# KiCad board EnvKB_HS.kicad_pcb (continued)
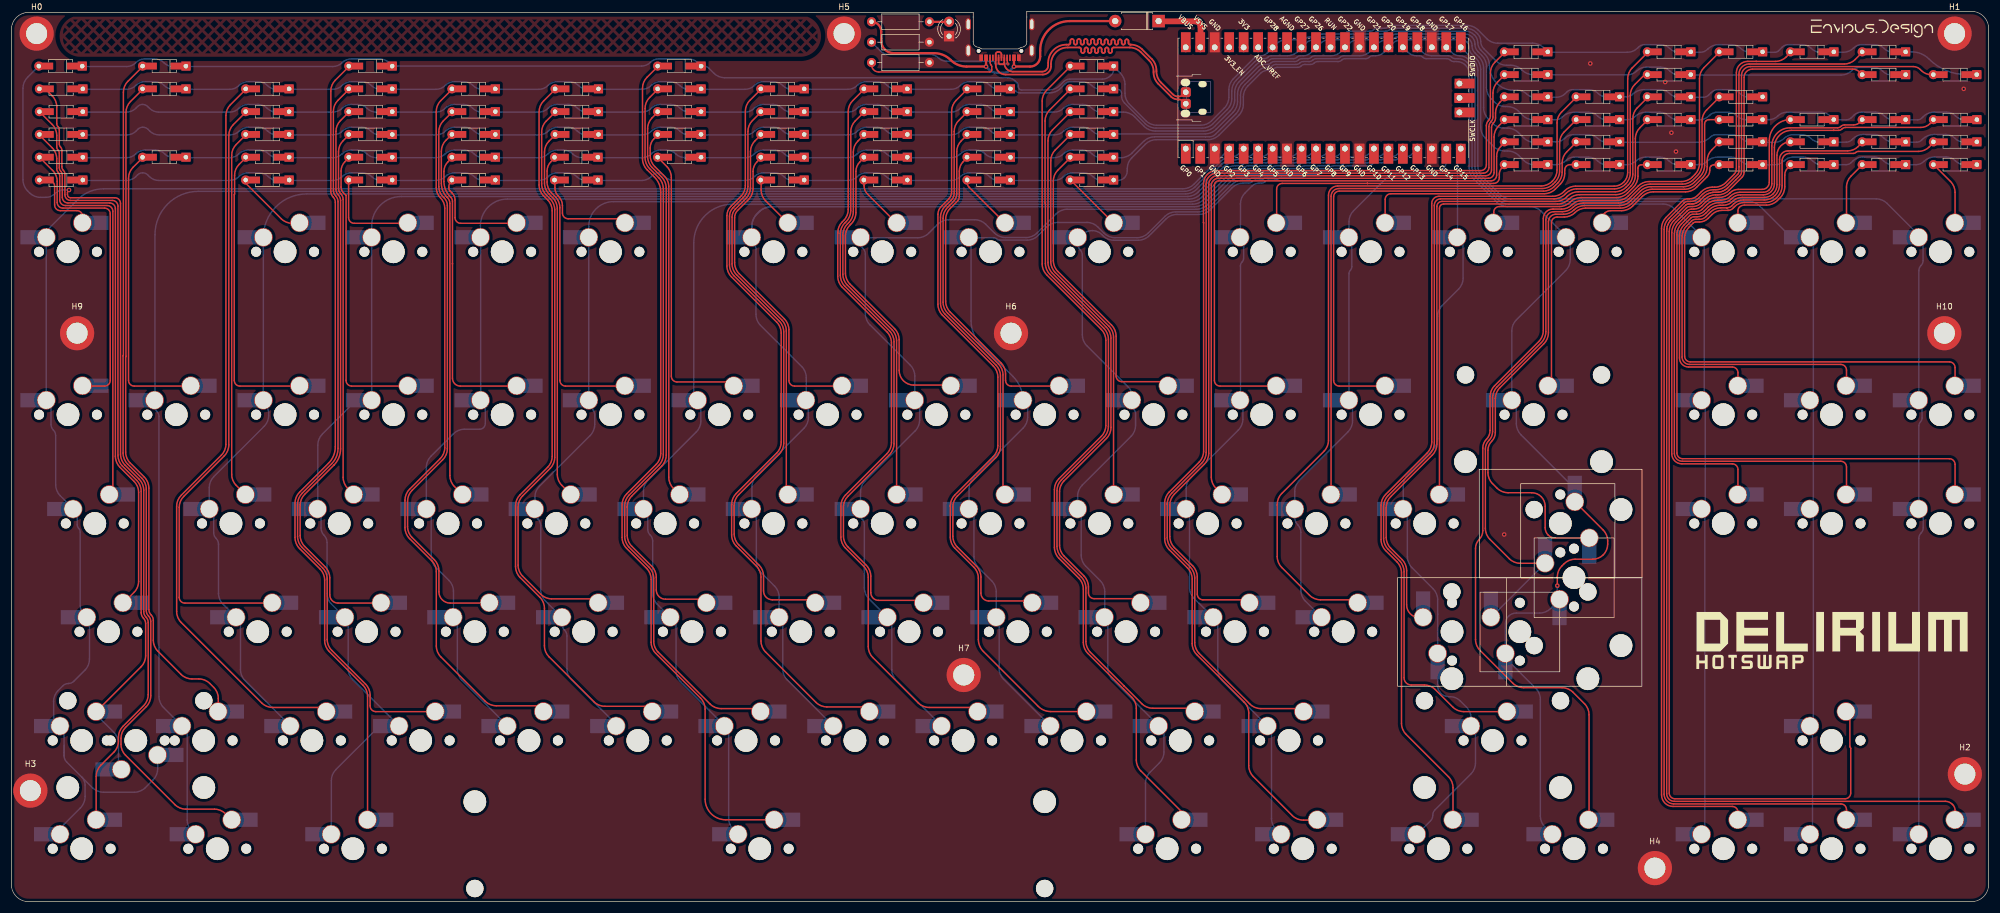
[diagram p0: board, top side]
## Routing (per net, layer and track width the routed paths; a pad name or vN(x,y) marks a point on that pad's centre or on a via; arc(x,y) is an arc through that point) (continued)
  Top w0.25: 299.72,137.28 297.93,137.28 arc(297.63,137.23) 297.38,137.06 arc(297.22,136.81) 297.16,136.52 297.16,129.22 arc(296.95,128.17) 296.36,127.29 295.37,126.31 arc(294.49,125.72) 293.45,125.51 287.79,125.51 arc(286.75,125.3) 285.86,124.71 284.14,122.99 arc(283.26,122.4) 282.22,122.2 276.07,122.2 arc(275.08,122) 274.24,121.44 arc(273.4,120.87) 272.4,120.68 271.06,120.68 arc(270.13,120.29) 269.75,119.37 269.75,99.87 arc(269.54,98.83) 268.95,97.95 261.23,90.22 arc(260.64,89.34) 260.43,88.3 260.43,82.38 arc(260.26,81.53) 259.78,80.8 arc(259.3,80.08) 259.13,79.23 259.13,75.31 arc(259.34,74.27) 259.93,73.39 260.74,72.58 arc(261.62,71.99) 262.66,71.78 266.8,71.78 arc(267.71,71.6) 268.48,71.09 arc(269,70.32) 269.18,69.41 269.18,65.64 arc(269.31,64.94) 269.71,64.35 arc(270.3,63.96) 270.99,63.82 276.96,63.82
Net-(D47-Pad2): length 90.6
  Top w0.25: 303.01,71.45 303.01,75.85 arc(302.72,76.56) 302.01,76.85 293.16,76.85 arc(291.91,77.37) 291.4,78.61 291.4,117.44 arc(291.61,118.48) 292.2,119.36 294.07,121.23 arc(294.45,121.49) 294.9,121.58 295.26,121.58 arc(296.04,121.73) 296.7,122.17 297.36,122.83 arc(298.24,123.42) 299.28,123.62 299.69,123.62 arc(300.73,123.83) 301.62,124.42 301.66,124.47 arc(302.29,124.89) 303.03,125.03 307.25,125.03 arc(308.14,125.4) 308.51,126.29 308.51,133.58 arc(309.59,136.2) D47.2
Net-(D48-Pad2): length 120.2
  Top w0.25: 322.06,71.45 322.06,76.3 arc(321.77,77.01) 321.06,77.3 293.25,77.3 arc(292.26,77.71) 291.85,78.7 291.85,117.25 arc(292.06,118.29) 292.65,119.17 294.36,120.89 arc(294.62,121.06) 294.94,121.12 295.7,121.12 arc(296.26,121.24) 296.74,121.56 297.54,122.35 arc(298.42,122.94) 299.46,123.15 300.02,123.15 arc(300.92,123.33) 301.69,123.84 arc(302.45,124.35) 303.35,124.53 307.45,124.53 arc(308.03,124.64) 308.52,124.97 arc(308.84,125.46) 308.96,126.04 308.96,132.64 arc(309.9,134.91) 312.17,135.85 320.49,135.85 arc(320.82,135.92) 321.1,136.11 arc(321.39,136.29) 321.72,136.36 323.32,136.36 arc(323.9,136.48) 324.39,136.81
Net-(D49-Pad2): length 151.5
  Top w0.25: 341.11,71.45 341.11,76.76 arc(340.82,77.46) 340.11,77.75 293.3,77.75 arc(292.59,78.05) 292.3,78.75 292.3,117.06 arc(292.51,118.1) 293.1,118.99 294.56,120.45 arc(294.81,120.62) 295.11,120.67 295.81,120.67 arc(296.47,120.81) 297.04,121.18 297.76,121.9 arc(298.64,122.49) 299.68,122.7 300.22,122.7 arc(301.12,122.88) 301.88,123.39 301.97,123.47 arc(302.64,123.92) 303.43,124.08 307.45,124.08 arc(308.2,124.23) 308.83,124.65 arc(309.26,125.29) 309.41,126.04 309.41,129.7 309.41,132.4 arc(310.29,134.52) 312.41,135.4 319.81,135.4 ; 319.81,135.4 319.81,135.4 ; 319.81,135.4 319.81,135.4 ; 319.81,135.4 arc(319.81,135.4) 319.81,135.4 ; 319.81,135.4 320.67,135.4 arc(321.01,135.47) 321.29,135.65 arc(321.57,135.84) 321.91,135.91 335.1,135.91 arc(335.98,136.08) 336.72,136.58 337.39,137.25 ; 319.81,135.4 arc(319.81,135.4) 319.81,135.4
Net-(D50-Pad2): length 98.6
  Top w0.25: 19.64,52.41 21.53,54.29 arc(22.12,55.17) 22.32,56.22 22.32,71.85 arc(22.12,72.89) 21.53,73.78 19.05,76.26 arc(18.46,77.14) 18.25,78.18 18.25,121.65 arc(17.96,122.36) 17.25,122.65 9.93,122.65 arc(9.23,122.94) 8.93,123.65 8.93,127.56 arc(8.87,127.91) 8.67,128.2 arc(8.48,128.49) 8.41,128.83 8.41,131.4 arc(8.35,131.7) 8.18,131.95 arc(8.02,132.19) 7.96,132.49 7.96,134.51 arc(7.75,135.55) 7.16,136.44 D50.2
Net-(D51-Pad2): length 106.6
  Top w0.25: 45.84,52.41 30.45,52.41 arc(29.74,52.7) 29.45,53.41 29.45,69.22 arc(29.66,70.26) 30.25,71.14 37.36,78.25 arc(37.95,79.13) 38.15,80.17 38.15,134.49 arc(38.36,135.53) 38.95,136.41 41.14,138.6
Net-(D52-Pad2): length 100.2
  Top w0.25: 64.89,52.41 57.33,52.41 arc(56.3,52.83) 55.87,53.86 55.87,56.83 arc(55.67,57.87) 55.08,58.75 51.47,62.36 arc(50.88,63.24) 50.68,64.28 50.68,69.58 arc(50.88,70.62) 51.47,71.5 56.57,76.6 arc(56.57,76.6) 56.57,76.6 56.58,76.6 arc(57.46,77.92) 57.77,79.47 57.77,123.09 arc(57.66,123.62) 57.36,124.07 arc(57.06,124.52) 56.96,125.05 56.96,135.19 arc(57.17,136.23) 57.75,137.12 59.24,138.6
Net-(D53-Pad2): length 100.2
  Top w0.25: 77.34,138.6 75.8,137.07 arc(75.22,136.18) 75.01,135.14 75.01,125.53 arc(75.2,124.56) 75.75,123.73 75.98,123.51 arc(76.37,122.92) 76.51,122.23 76.51,79.51 arc(76.3,78.47) 75.71,77.59 70.32,72.2 arc(69.73,71.32) 69.53,70.28 69.53,65.85 arc(69.73,64.81) 70.32,63.92 74.23,60.02 arc(74.82,59.14) 75.02,58.09 75.02,54.4 arc(75.61,52.99) 77.02,52.41 83.94,52.41
Net-(D54-Pad2): length 99.4
  Top w0.25: 102.24,53.16 94.83,53.16 arc(93.79,53.36) 92.9,53.95 89.72,57.13 arc(89.13,58.02) 88.92,59.06 88.92,69.3 arc(89.13,70.34) 89.72,71.23 94.56,76.07 arc(95.15,76.95) 95.36,77.99 95.36,121.45 arc(95.15,122.49) 94.56,123.37 93.85,124.08 arc(93.27,124.96) 93.06,126 93.06,135.09 arc(93.27,136.13) 93.85,137.02 95.2,138.37
Net-(D55-Pad2): length 99.2
  Top w0.25: 113.44,138.6 112.45,137.62 arc(111.87,136.73) 111.66,135.69 111.66,130.79 arc(111.87,129.75) 112.45,128.87 114.1,127.22 arc(114.71,126.31) 114.92,125.24 114.92,78.38 arc(114.71,77.33) 114.12,76.45 108.87,71.2 arc(108.28,70.32) 108.08,69.28 108.08,64.31 arc(108.28,63.27) 108.87,62.38 112.38,58.88 arc(112.97,57.99) 113.17,56.95 113.17,54.71 arc(113.65,53.56) 114.8,53.09 121.36,53.09
Net-(D56-Pad2): length 104.4
  Top w0.25: 131.54,138.6 130.05,137.12 arc(129.47,136.23) 129.26,135.19 129.26,125.55 arc(129.05,124.51) 128.46,123.63 126.63,121.79 arc(126.18,121.13) 126.02,120.34 126.02,111.78 arc(126.23,110.74) 126.82,109.86 134.75,101.93 arc(135.34,101.05) 135.55,100.01 135.55,80.48 arc(135.34,79.44) 134.75,78.56 127.65,71.45 arc(127.06,70.57) 126.85,69.53 126.85,64.56 arc(127.06,63.52) 127.65,62.63 131.2,59.08 arc(131.79,58.19) 132,57.15 132,54.54 arc(132.45,53.44) 133.55,52.98 140.51,52.98
Net-(D57-Pad2): length 104.2
  Top w0.25: 159.66,52.88 152.18,52.88 arc(151.22,53.28) 150.82,54.25 150.82,57.13 arc(150.62,58.17) 150.03,59.05 146.82,62.26 arc(146.23,63.14) 146.03,64.18 146.03,69.25 arc(146.23,70.29) 146.82,71.18 154.1,78.46 arc(154.69,79.34) 154.9,80.38 154.9,98.28 arc(154.69,99.32) 154.1,100.2 146.27,108.04 arc(145.68,108.92) 145.47,109.96 145.47,117.23 arc(145.68,118.27) 146.27,119.15 146.51,119.39 arc(147.1,120.27) 147.31,121.31 147.31,135.14 arc(147.52,136.18) 148.1,137.07 149.64,138.6
Net-(D58-Pad2): length 104.7
  Top w0.25: 178.81,52.78 171.51,52.78 arc(170.55,53.18) 170.15,54.15 170.15,56.98 arc(169.94,58.02) 169.35,58.9 166.02,62.23 arc(165.43,63.12) 165.22,64.16 165.22,69.28 arc(165.43,70.32) 166.02,71.2 172.78,77.96 arc(173.37,78.84) 173.57,79.88 173.57,92.28 arc(173.37,93.32) 172.78,94.2 163.85,103.13 arc(163.27,104.01) 163.06,105.05 163.06,120.15 arc(163.27,121.19) 163.85,122.07 164.99,123.21 arc(165.34,123.72) 165.46,124.33 165.46,135.19 arc(165.67,136.23) 166.25,137.12 167.74,138.6
Net-(D59-Pad2): length 104.6
  Top w0.25: 185.84,138.6 182.71,135.48 arc(182.12,134.59) 181.92,133.55 181.92,112.22 arc(182.12,111.18) 182.71,110.29 192.18,100.83 arc(192.77,99.95) 192.97,98.91 192.97,83.23 arc(192.77,82.19) 192.18,81.31 184.75,73.88 arc(184.16,72.99) 183.95,71.95 183.95,62.58 arc(184.16,61.54) 184.75,60.66 188.23,57.18 arc(188.82,56.29) 189.02,55.25 189.02,54.19 arc(189.32,53.48) 190.02,53.19 197.46,53.19
Net-(D60-Pad2): length 150
  Top w0.25: 262.09,141.2 261.26,140.37 arc(260.67,139.49) 260.46,138.45 260.46,137.57 arc(260.37,137.11) 260.11,136.72 arc(259.85,136.33) 259.76,135.87 259.76,128.44 arc(259.47,127.73) 258.76,127.44 256.99,127.44 211.71,127.44 arc(210.59,126.97) 210.13,125.86 210.13,78.69 arc(209.93,77.65) 209.34,76.77 204.1,71.53 arc(203.51,70.64) 203.3,69.6 203.3,64.08 arc(203.51,63.04) 204.1,62.16 207.33,58.93 arc(207.92,58.04) 208.12,57 208.12,53.98 arc(208.42,53.28) 209.12,52.98 216.71,52.98
Net-(D61-Pad2): length 140.8
  Top w0.25: 274.64,141.2 272.05,138.62 arc(271.47,137.73) 271.26,136.69 271.26,128.43 arc(271.05,127.39) 270.46,126.5 270.39,126.43 arc(269.51,125.84) 268.47,125.63 232.76,125.63 arc(231.62,125.16) 231.15,124.03 231.15,80.98 arc(230.94,79.94) 230.35,79.06 222.95,71.65 arc(222.36,70.77) 222.15,69.73 222.15,60.58 arc(222.36,59.54) 222.95,58.66 227.82,53.78 arc(228.71,53.19) 229.75,52.98 235.76,52.98
Net-(D62-Pad2): length 129.7
  Top w0.25: 287.19,141.2 285.35,139.37 arc(284.77,138.48) 284.56,137.44 284.56,127.73 arc(284.35,126.69) 283.76,125.8 283.37,125.42 arc(282.49,124.83) 281.45,124.62 274.99,124.62 arc(273.95,124.41) 273.07,123.82 272.97,123.72 arc(272.09,123.13) 271.04,122.93 251.07,122.93 arc(250.44,122.66) 250.17,122.03 250.17,80.33 arc(249.97,79.29) 249.38,78.41 242.07,71.1 arc(241.48,70.22) 241.27,69.18 241.27,63.96 arc(241.48,62.92) 242.07,62.03 244.07,60.04 arc(244.65,59.16) 244.86,58.12 244.86,52.1 arc(245.52,50.52) 247.09,49.87
Net-(D63-Pad2): length 129.6
  Top w0.25: 269.18,59.39 264.82,59.39 arc(263.77,59.6) 262.89,60.19 259.48,63.6 arc(258.89,64.48) 258.68,65.52 258.68,79.44 arc(258.85,80.27) 259.32,80.97 arc(259.79,81.68) 259.95,82.5 259.95,88.45 arc(260.16,89.49) 260.75,90.38 268.5,98.13 arc(269.09,99.02) 269.3,100.06 269.3,119.71 arc(269.72,120.71) 270.72,121.13 272.22,121.13 arc(273.21,121.32) 274.05,121.89 arc(274.9,122.45) 275.89,122.64 282.03,122.64 arc(283.08,122.85) 283.96,123.44 285.68,125.16 arc(286.56,125.75) 287.6,125.96 293.27,125.96 arc(294.31,126.17) 295.19,126.76 295.91,127.48 arc(296.5,128.36) 296.71,129.4 296.71,137.04 arc(296.92,138.08) 297.5,138.97 299.74,141.2
  Bottom w0.25: 259.65,49.87 269.17,59.39
Net-(D64-Pad2): length 134.6
  Top w0.25: 14.88,33.35 22.76,41.24 arc(23.35,42.12) 23.56,43.16 23.56,48.82 arc(23.46,49.33) 23.17,49.76 arc(22.88,50.2) 22.77,50.71 22.77,72.04 arc(22.57,73.08) 21.98,73.96 19.5,76.44 arc(18.91,77.33) 18.7,78.37 18.7,122.1 arc(18.41,122.81) 17.7,123.1 10.39,123.1 arc(9.68,123.39) 9.39,124.1 9.39,127.74 arc(9.32,128.09) 9.12,128.38 arc(8.93,128.68) 8.86,129.02 8.86,131.92 arc(8.8,132.21) 8.63,132.46 arc(8.47,132.71) 8.41,133 8.41,135.51 arc(8.35,135.8) 8.18,136.05 arc(8.02,136.3) 7.96,136.59 7.96,139.53 arc(7.75,140.57) 7.16,141.46 D64.2
  Bottom w0.25: 14.88,32.81 17.99,29.71 arc(18.58,28.82) 18.78,27.78 18.78,23.74
Net-(D65-Pad2): length 118.3
  Top w0.25: 36.31,33.35 36.31,35.68 arc(36.1,36.72) 35.51,37.6 34.82,38.3 arc(33.94,38.89) 32.89,39.1 31.7,39.1 arc(30.66,39.3) 29.77,39.89 25.7,43.96 arc(25.12,44.84) 24.91,45.88 24.91,49.39 arc(24.81,49.9) 24.52,50.34 arc(24.23,50.77) 24.13,51.28 24.13,72.6 arc(23.92,73.64) 23.33,74.52 20.85,77 arc(20.26,77.89) 20.05,78.93 20.05,95.6 arc(20.06,95.64) 20.08,95.67 arc(20.1,95.7) 20.11,95.74 20.11,138.54 arc(20.31,139.58) 20.9,140.46 23.04,142.6
Net-(D66-Pad2): length 129.4
  Top w0.25: 54.63,34.09 45.85,34.09 arc(44.81,34.29) 43.92,34.88 29.8,49.01 arc(29.21,49.89) 29,50.93 29,69.4 arc(29.21,70.44) 29.8,71.33 36.85,78.38 arc(37.44,79.26) 37.65,80.3 37.65,137.98 arc(37.85,139.02) 38.44,139.9 41.14,142.6
Net-(D67-Pad2): length 129
  Top w0.25: 59.24,142.6 57.3,140.67 arc(56.72,139.78) 56.51,138.74 56.51,124.86 arc(56.61,124.33) 56.91,123.89 arc(57.21,123.44) 57.32,122.91 57.32,79.57 arc(57.03,78.11) 56.2,76.86 51.02,71.69 arc(50.43,70.81) 50.22,69.76 50.22,64.1 arc(50.43,63.05) 51.02,62.17 54.63,58.57 arc(55.22,57.68) 55.43,56.64 55.43,46.03 arc(55.63,44.99) 56.22,44.11 62.16,38.17 arc(62.75,37.29) 62.95,36.25 62.95,34.35 arc(63.25,33.65) 63.95,33.35 74.41,33.35
Net-(D68-Pad2): length 126.5
  Top w0.25: 77.34,142.6 75.35,140.62 arc(74.77,139.73) 74.56,138.69 74.56,125.35 arc(74.75,124.37) 75.31,123.54 arc(75.86,122.71) 76.06,121.73 76.06,79.7 arc(75.85,78.66) 75.26,77.78 69.87,72.39 arc(69.28,71.51) 69.07,70.46 69.07,65.66 arc(69.28,64.62) 69.87,63.74 73.78,59.83 arc(74.37,58.95) 74.57,57.91 74.57,44.88 arc(74.78,43.84) 75.37,42.96 83.15,35.18 arc(84.03,34.59) 85.07,34.38 92.43,34.38
Net-(D69-Pad2): length 126.6
  Top w0.25: 95.44,142.6 93.4,140.57 arc(92.82,139.68) 92.61,138.64 92.61,125.82 arc(92.82,124.78) 93.4,123.89 94.11,123.19 arc(94.7,122.31) 94.91,121.26 94.91,78.18 arc(94.7,77.14) 94.11,76.25 89.27,71.41 arc(88.68,70.53) 88.47,69.49 88.47,58.83 arc(88.68,57.79) 89.27,56.91 92.75,53.43 arc(93.34,52.54) 93.55,51.5 93.55,44.91 arc(93.76,43.87) 94.35,42.98 102.25,35.08 arc(103.13,34.49) 104.17,34.28 111.58,34.28
Net-(D70-Pad2): length 126.9
  Top w0.25: 131.03,33.88 124.55,33.88 arc(123.51,34.09) 122.62,34.68 113.52,43.78 arc(112.93,44.67) 112.72,45.71 112.72,56.77 arc(112.52,57.81) 111.93,58.69 108.42,62.2 arc(107.83,63.08) 107.62,64.12 107.62,69.46 arc(107.83,70.51) 108.42,71.39 113.61,76.58 arc(114.2,77.46) 114.41,78.5 114.41,125.15 arc(114.2,126.19) 113.61,127.07 112,128.68 arc(111.42,129.56) 111.21,130.6 111.21,139.24 arc(111.42,140.28) 112,141.17 113.44,142.6
Net-(D71-Pad2): length 131.4
  Top w0.25: 131.54,142.6 129.6,140.67 arc(129.02,139.78) 128.81,138.74 128.81,125.74 arc(128.6,124.69) 128.01,123.81 126.25,122.05 arc(125.75,121.3) 125.57,120.43 125.57,111.6 arc(125.78,110.56) 126.37,109.67 134.3,101.74 arc(134.89,100.86) 135.1,99.82 135.1,80.67 arc(134.89,79.63) 134.3,78.74 127.2,71.64 arc(126.61,70.76) 126.4,69.71 126.4,64.37 arc(126.61,63.33) 127.2,62.45 130.75,58.89 arc(131.34,58.01) 131.55,56.97 131.55,45.76 arc(131.76,44.72) 132.35,43.83 141.2,34.98 arc(142.08,34.39) 143.12,34.19 149.78,34.19
Net-(D72-Pad2): length 131.7
  Top w0.25: 168.93,34.09 161.07,34.09 arc(160.03,34.29) 159.15,34.88 151.17,42.86 arc(150.58,43.74) 150.38,44.78 150.38,56.94 arc(150.17,57.98) 149.58,58.87 146.37,62.07 arc(145.78,62.95) 145.57,64 145.57,69.44 arc(145.78,70.48) 146.37,71.36 153.65,78.64 arc(154.24,79.53) 154.45,80.57 154.45,98.09 arc(154.24,99.14) 153.65,100.02 145.82,107.85 arc(145.23,108.73) 145.02,109.77 145.02,117.41 arc(145.23,118.45) 145.82,119.34 146.06,119.58 arc(146.65,120.46) 146.86,121.5 146.86,138.69 arc(147.07,139.73) 147.65,140.62 149.64,142.6
Net-(D73-Pad2): length 132.2
  Top w0.25: 167.74,142.6 165.8,140.67 arc(165.22,139.78) 165.01,138.74 165.01,124.62 arc(164.87,123.92) 164.47,123.32 163.18,122.03 arc(162.76,121.4) 162.61,120.65 162.61,104.86 arc(162.82,103.82) 163.4,102.94 172.33,94.02 arc(172.92,93.14) 173.12,92.09 173.12,80.07 arc(172.92,79.03) 172.33,78.14 165.57,71.39 arc(164.98,70.51) 164.77,69.46 164.77,63.97 arc(164.98,62.93) 165.57,62.05 168.9,58.72 arc(169.49,57.83) 169.7,56.79 169.7,46.04 arc(169.93,44.89) 170.58,43.91 180.23,34.26 arc(181.22,33.6) 182.39,33.37 K_73.2
Net-(D74-Pad2): length 132.8
  Top w0.25: 185.84,142.6 182.21,138.97 arc(181.62,138.09) 181.41,137.04 181.41,122.66 arc(181.42,122.62) 181.44,122.59 arc(181.46,122.56) 181.47,122.52 181.47,112.03 arc(181.67,110.99) 182.26,110.11 191.73,100.64 arc(192.32,99.76) 192.52,98.72 192.52,83.42 arc(192.32,82.38) 191.73,81.49 184.3,74.06 arc(183.71,73.18) 183.5,72.14 183.5,62.38 arc(183.71,61.34) 184.3,60.46 187.78,56.98 arc(188.37,56.09) 188.58,55.05 188.58,45.68 arc(188.78,44.64) 189.37,43.76 195.3,37.83 arc(195.3,37.83) 195.3,37.83 198.39,34.74 arc(199.27,34.15) 200.31,33.94 207.76,33.94
Net-(D75-Pad2): length 177.2
  Top w0.25: 226.28,33.88 219.27,33.88 arc(218.23,34.09) 217.35,34.68 208.47,43.56 arc(207.88,44.44) 207.68,45.48 207.68,56.82 arc(207.47,57.86) 206.88,58.74 203.65,61.97 arc(203.06,62.85) 202.85,63.9 202.85,69.79 arc(203.06,70.83) 203.65,71.71 208.89,76.95 arc(209.48,77.84) 209.68,78.88 209.68,122.05 arc(209.68,122.07) 209.67,122.08 arc(209.66,122.1) 209.66,122.11 209.66,125.95 arc(210.23,127.32) 211.6,127.89 258.31,127.89 arc(259.02,128.18) 259.31,128.89 259.31,136.05 arc(259.4,136.51) 259.66,136.91 arc(259.92,137.3) 260.01,137.76 260.01,141.95 arc(260.22,142.99) 260.81,143.87 262.09,145.15
Net-(D76-Pad2): length 162.9
  Top w0.25: 262,33.35 254.89,33.35 arc(253.85,33.56) 252.97,34.15 249.89,37.23 arc(249,37.82) 247.96,38.03 245.67,38.03 arc(244.78,38.4) 244.41,39.28 244.41,57.93 arc(244.21,58.97) 243.62,59.85 241.62,61.85 arc(241.03,62.73) 240.82,63.77 240.82,69.36 arc(241.03,70.41) 241.62,71.29 248.93,78.59 arc(249.52,79.48) 249.72,80.52 249.72,122.26 arc(250.05,123.05) 250.84,123.38 270.73,123.38 arc(271.77,123.58) 272.66,124.17 272.81,124.33 arc(273.7,124.92) 274.74,125.13 281.31,125.13 arc(282.35,125.33) 283.23,125.92 283.31,126 arc(283.9,126.89) 284.11,127.93 284.11,141.52 arc(284.32,142.56) 284.9,143.45 286.61,145.15
Net-(D77-Pad2): length 201.1
  Top w0.25: 322.65,32.77 322.65,27.26 arc(322.67,27.16) 322.73,27.08 arc(322.78,27) 322.8,26.9 322.8,19.06 arc(322.51,18.35) 321.8,18.06 291.95,18.06 arc(291.24,18.35) 290.95,19.06 290.95,117.62 arc(291.16,118.66) 291.75,119.55 293.98,121.78 arc(294.25,121.96) 294.57,122.03 295.07,122.03 arc(295.85,122.18) 296.52,122.62 297.17,123.28 arc(298.05,123.87) 299.1,124.07 299.51,124.07 arc(300.55,124.28) 301.43,124.87 303.72,127.17 arc(303.99,127.56) 304.08,128.03 304.08,144.69 arc(304.51,145.72) 305.55,146.15 323.13,146.15 arc(323.78,146.02) 324.34,145.65
Net-(D78-Pad2): length 155.5
  Top w0.25: 14.88,14.31 14.88,22 arc(15.09,23.05) 15.68,23.93 17.99,26.24 arc(18.58,27.12) 18.78,28.16 18.78,28.85 arc(18.99,29.89) 19.58,30.77 23.21,34.41 arc(23.8,35.29) 24.01,36.33 24.01,49 arc(23.91,49.52) 23.62,49.95 arc(23.33,50.38) 23.23,50.9 23.23,72.23 arc(23.02,73.27) 22.43,74.15 19.95,76.63 arc(19.36,77.51) 19.15,78.55 19.15,122.57 arc(18.86,123.28) 18.15,123.57 10.38,123.57 arc(10,123.73) 9.84,124.12 9.84,124.47 arc(9.88,124.65) 9.98,124.8 v1(10.11,124.94)
  Bottom w0.25: v1(10.11,124.94) 9.2,124.94 arc(8.35,124.77) 7.64,124.29 7.63,124.28 arc(6.91,123.8) 6.06,123.63 5.11,123.63 arc(4.07,123.84) 3.19,124.43 2.83,124.79 arc(2.24,125.67) 2.03,126.71 2.03,142.78 arc(2.24,143.82) 2.83,144.7 D78.2
Net-(D79-Pad2): length 149.2
  Top w0.25: 38.69,14.31 37.56,15.43 arc(36.68,16.02) 35.64,16.23 30.62,16.23 arc(29.58,16.44) 28.7,17.03 20.03,25.7 arc(19.44,26.58) 19.23,27.62 19.23,28.66 arc(19.44,29.7) 20.03,30.59 23.66,34.22 arc(24.25,35.1) 24.46,36.14 24.46,49.19 arc(24.36,49.7) 24.07,50.14 arc(23.78,50.57) 23.68,51.08 23.68,72.41 arc(23.47,73.45) 22.88,74.34 20.4,76.82 arc(19.81,77.7) 19.6,78.74 19.6,95.79 arc(19.61,95.83) 19.63,95.86 arc(19.65,95.89) 19.66,95.93 19.66,142.09 arc(19.86,143.13) 20.45,144.01 23.04,146.6
Net-(D80-Pad2): length 141.1
  Top w0.25: 62.5,14.31 62.5,36.06 arc(62.3,37.1) 61.71,37.99 55.77,43.92 arc(55.18,44.8) 54.97,45.85 54.97,56.46 arc(54.77,57.5) 54.18,58.38 50.57,61.99 arc(49.98,62.87) 49.77,63.91 49.77,69.95 arc(49.98,70.99) 50.57,71.87 55.65,76.95 arc(56.54,78.28) 56.85,79.85 56.85,122.75 arc(56.75,123.27) 56.45,123.71 arc(56.16,124.15) 56.06,124.66 56.06,142.29 arc(56.27,143.33) 56.85,144.22 59.24,146.6
Net-(D81-Pad2): length 153
  Top w0.25: K_81.2 125.37,14.37 arc(122.81,15.43) 121.75,17.99 121.75,33.79 arc(121.54,34.83) 120.95,35.72 113.07,43.6 arc(112.48,44.48) 112.27,45.52 112.27,56.58 arc(112.07,57.62) 111.48,58.5 107.97,62.01 arc(107.38,62.89) 107.17,63.93 107.17,69.65 arc(107.38,70.69) 107.97,71.57 113.16,76.77 arc(113.75,77.65) 113.96,78.69 113.96,124.53 arc(113.67,125.97) 112.86,127.19 111.55,128.49 arc(110.97,129.38) 110.76,130.42 110.76,142.79 arc(110.97,143.83) 111.55,144.72 113.44,146.6
Net-(D82-Pad2): length 149.3
  Top w0.25: 205.38,15.78 198.22,22.93 arc(197.63,23.82) 197.43,24.86 197.43,33.94 arc(197.22,34.98) 196.63,35.87 188.92,43.57 arc(188.33,44.45) 188.12,45.5 188.12,54.87 arc(187.92,55.91) 187.33,56.79 183.85,60.27 arc(183.26,61.15) 183.05,62.2 183.05,72.33 arc(183.26,73.37) 183.85,74.25 191.28,81.68 arc(191.87,82.56) 192.07,83.6 192.07,98.53 arc(191.87,99.57) 191.28,100.45 181.7,110.03 arc(181.11,110.91) 180.9,111.96 180.9,140.54 arc(181.11,141.58) 181.7,142.46 185.84,146.6
Net-(D83-Pad2): length 199.2
  Top w0.25: 262.09,149.1 260.36,147.37 arc(259.77,146.49) 259.56,145.45 259.56,137.94 arc(259.47,137.48) 259.21,137.09 arc(258.95,136.7) 258.86,136.24 258.86,129.34 arc(258.57,128.63) 257.86,128.34 211.52,128.34 arc(209.88,127.66) 209.21,126.02 209.21,119.21 arc(209.21,119.19) 209.22,119.18 arc(209.23,119.16) 209.23,119.15 209.23,79.06 arc(209.03,78.02) 208.44,77.14 203.2,71.9 arc(202.61,71.02) 202.4,69.98 202.4,63.71 arc(202.61,62.67) 203.2,61.79 206.43,58.55 arc(207.02,57.67) 207.22,56.63 207.22,45.3 arc(207.43,44.25) 208.02,43.37 216.35,35.04 arc(216.94,34.16) 217.15,33.12 217.15,23.88 arc(217.36,22.84) 217.95,21.96 224.8,15.1 arc(225.69,14.51) 226.73,14.31 229.19,14.31
Net-(D84-Pad2): length 175.9
  Top w0.25: 253,14.31 253,20 arc(252.8,21.04) 252.21,21.92 244.76,29.37 arc(244.17,30.25) 243.96,31.29 243.96,57.72 arc(243.76,58.76) 243.17,59.64 241.17,61.63 arc(240.58,62.52) 240.37,63.56 240.37,69.55 arc(240.58,70.59) 241.17,71.47 248.48,78.78 arc(249.07,79.66) 249.27,80.7 249.27,122.57 arc(249.64,123.46) 250.53,123.83 270.51,123.83 arc(271.55,124.03) 272.43,124.62 272.61,124.8 arc(273.49,125.39) 274.53,125.6 281.27,125.6 arc(282.18,125.78) 282.96,126.3 arc(283.48,127.08) 283.66,127.99 283.66,144.44 arc(283.87,145.48) 284.45,146.37 287.19,149.1
Net-(D85-Pad2): length 175.4
  Top w0.25: 299.74,149.1 297.06,146.42 arc(296.47,145.53) 296.26,144.49 296.26,129.59 arc(296.05,128.55) 295.46,127.66 295,127.21 arc(294.12,126.62) 293.08,126.41 287.42,126.41 arc(286.38,126.2) 285.49,125.61 283.77,123.89 arc(282.89,123.3) 281.85,123.1 275.7,123.1 arc(274.71,122.9) 273.87,122.34 arc(273.03,121.77) 272.03,121.58 270.51,121.58 arc(269.34,121.09) 268.85,119.92 268.85,100.24 arc(268.64,99.2) 268.05,98.32 260.3,90.56 arc(259.71,89.68) 259.5,88.64 259.5,82.69 arc(259.34,81.86) 258.87,81.16 arc(258.4,80.46) 258.23,79.63 258.23,65.12 arc(258.07,64.28) 257.59,63.57 arc(257.12,62.86) 256.95,62.02 256.95,46.02 arc(257.16,44.98) 257.75,44.09 263.49,38.35 arc(264.37,37.76) 265.42,37.55 272.14,37.55 arc(273.18,37.35) 274.06,36.76 276.08,34.74 arc(276.67,33.86) 276.88,32.82 276.88,14.36
Net-(D86-Pad2): length 160.6
  Top w0.25: 312.29,149.1 311.48,148.3 arc(310.6,147.71) 309.56,147.5 306.23,147.5 arc(306.22,147.5) 306.22,147.5 arc(306.21,147.51) 306.21,147.51 304.73,147.51 arc(303.32,146.92) 302.73,145.51 302.73,134.41 arc(302.73,134.41) 302.73,134.41 arc(302.73,134.41) 302.73,134.41 302.73,128.66 arc(302.63,128.13) 302.33,127.68 300.87,126.22 arc(299.99,125.63) 298.95,125.43 298.5,125.43 arc(297.46,125.22) 296.58,124.63 295.91,123.96 arc(295.26,123.53) 294.49,123.38 294.22,123.38 arc(293.7,123.27) 293.26,122.98 290.4,120.11 arc(289.81,119.23) 289.6,118.19 289.6,18.73 arc(290.19,17.3) 291.62,16.7 302.01,16.7 arc(302.72,16.41) 303.01,15.7
Net-(D87-Pad2): length 192.7
  Top w0.25: 322.06,14.31 322.06,16.15 arc(321.77,16.86) 321.06,17.15 291.76,17.15 arc(290.55,17.66) 290.05,18.87 290.05,117.99 arc(290.26,119.04) 290.85,119.92 293.57,122.64 arc(293.57,122.65) 293.57,122.65 arc(293.58,122.65) 293.58,122.66 arc(293.87,122.86) 294.22,122.93 294.69,122.93 arc(295.47,123.08) 296.13,123.52 296.79,124.18 arc(297.67,124.77) 298.71,124.97 299.13,124.97 arc(300.17,125.18) 301.06,125.77 302.97,127.69 arc(303.13,127.92) 303.18,128.19 303.18,129.01 arc(303.18,129.01) 303.18,129.01 303.18,145.09 303.18,145.26 arc(303.71,146.53) 304.97,147.05 321.66,147.05 arc(322.7,147.26) 323.58,147.85 324.84,149.1
Net-(D88-Pad2): length 220.9
  Top w0.25: 341.11,15.49 341.11,16.05 arc(341.01,16.56) 340.72,17 340.61,17.1 arc(340.06,17.48) 339.4,17.6 291.85,17.6 arc(290.9,18) 290.5,18.96 290.5,117.72 arc(290.5,117.81) 290.5,117.9 arc(290.51,117.99) 290.51,118.07 290.53,118.16 arc(290.56,118.34) 290.6,118.51 arc(290.65,118.68) 290.71,118.85 arc(290.78,119.01) 290.87,119.17 arc(290.96,119.32) 291.06,119.46 291.12,119.53 arc(291.17,119.6) 291.23,119.67 arc(291.3,119.73) 291.36,119.79 293.92,122.35 arc(293.94,122.36) 293.96,122.37 arc(293.99,122.37) 294.01,122.38 294.07,122.4 arc(294.15,122.43) 294.24,122.46 294.28,122.46 arc(294.33,122.47) 294.37,122.47 arc(294.42,122.47) 294.46,122.48 294.81,122.48 arc(294.88,122.48) 294.95,122.48 arc(295.01,122.48) 295.08,122.49 295.14,122.49 arc(295.28,122.52) 295.4,122.55 arc(295.53,122.58) 295.66,122.63 arc(295.78,122.69) 295.89,122.75 arc(296.01,122.82) 296.11,122.9 296.17,122.94 arc(296.22,122.98) 296.27,123.02 arc(296.31,123.07) 296.36,123.12 296.91,123.67 arc(296.97,123.73) 297.04,123.79 arc(297.1,123.85) 297.17,123.91 297.24,123.96 arc(297.39,124.06) 297.54,124.16 arc(297.69,124.24) 297.86,124.32 arc(298.02,124.38) 298.19,124.43 arc(298.37,124.47) 298.54,124.5 298.63,124.51 arc(298.72,124.52) 298.81,124.52 arc(298.9,124.52) 298.99,124.52 299.23,124.52 arc(299.32,124.53) 299.41,124.53 arc(299.5,124.53) 299.59,124.54 299.67,124.55 arc(299.85,124.58) 300.02,124.62 arc(300.19,124.67) 300.36,124.73 arc(300.52,124.81) 300.68,124.89 arc(300.83,124.99) 300.97,125.09 301.05,125.14 arc(301.11,125.2) 301.18,125.26 arc(301.24,125.32) 301.31,125.38 302.64,126.71 303.35,127.43 arc(303.56,127.74) 303.63,128.11 303.63,145.04 arc(304.09,146.14) 305.2,146.6 333.76,146.6 arc(334.44,146.47) 335.01,146.08 335.21,145.88 arc(335.98,145.37) 336.9,145.19
Net-(LEDRESISTOR1-Pad2): length 3.1
  Top w0.4: 164.24,154.45 161.12,154.45
Net-(RESISTOR0-Pad1): length 26.5
  Top w0.25: v2(174.9,147.05) arc(174.81,147.09) 174.78,147.17 174.78,148.14 arc(174.78,148.14) 174.77,148.14
  Bottom w0.25: RESISTOR0.1 152.54,149.3 arc(153.15,148.89) 153.87,148.75 161.11,148.75 arc(162.02,148.57) 162.8,148.05 arc(163.35,147.68) 164.01,147.55 172.25,147.55 arc(172.46,147.46) 172.55,147.25 arc(172.61,147.11) 172.75,147.05 v2(174.9,147.05)
